# Altium PCB MB1166.PcbDoc (part 4 of 39) (continued)
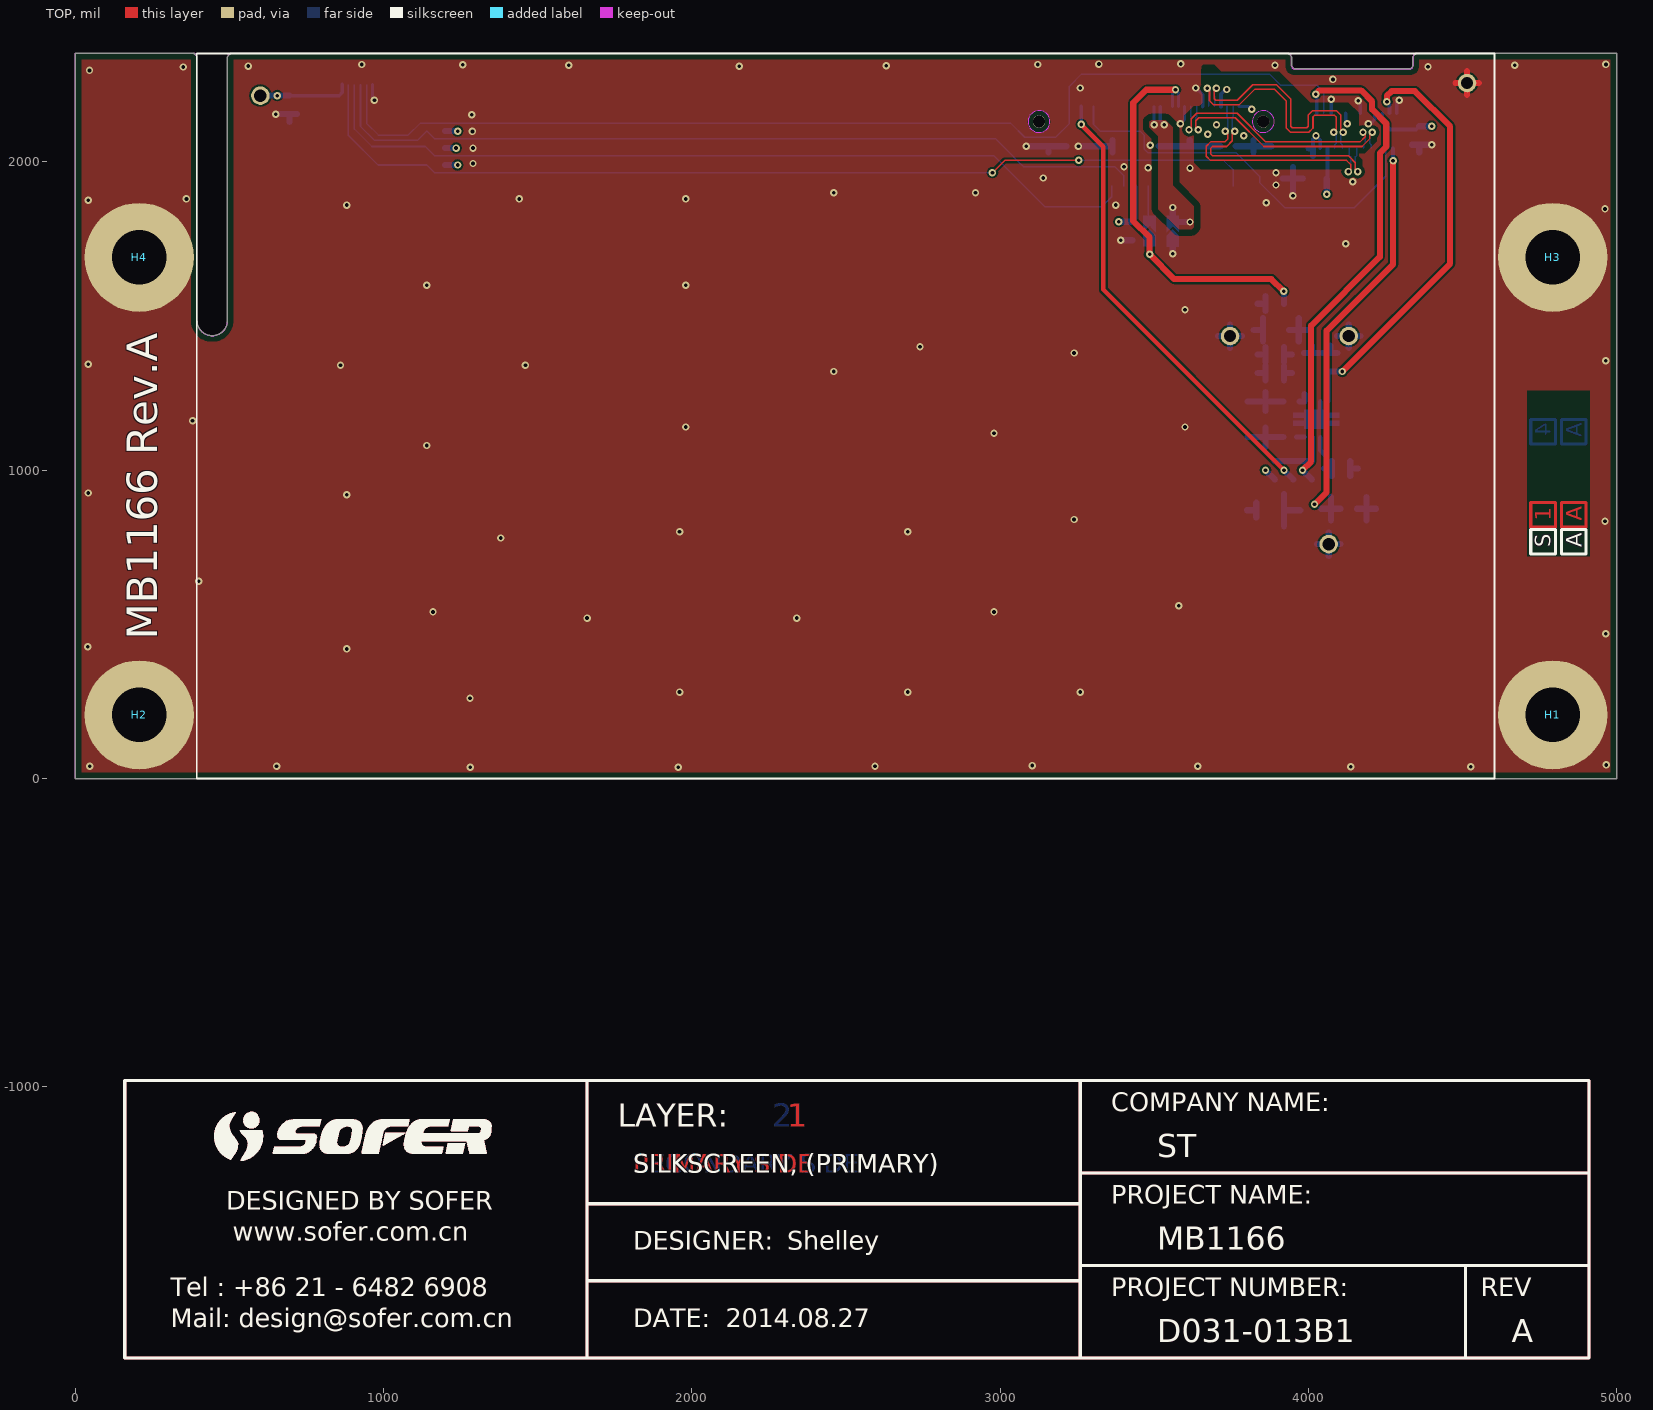
[diagram p0: TOP view]
## Nets (pads, with @x,y where several pads share a name; then routed paths per layer and width w, separated by ;. In a path a pad name is that pad's centre, name@x,y a point inside that pad or via, vN(x,y) a via of type N, cw(c..) or ccw(c..) an arc to the next point about the centre after c; other vN are vias at no path point) (continued)
; 858.18,-1139.44 858.24,-1139.35 ; 858.25,-1194.88 858.34,-1194.9 ; 858.25,-1194.88 858.34,-1194.9 ; 858.24,-1139.35 858.29,-1139.27 ; 858.24,-1139.35 858.29,-1139.27 ; 858.29,-1139.27 858.59,-1138.87 ; 858.29,-1139.27 858.59,-1138.87 ; 858.34,-1194.9 858.64,-1194.96 ; 858.34,-1194.9 858.64,-1194.96 ; 858.59,-1138.87 858.66,-1138.79 ; 858.59,-1138.87 858.66,-1138.79 ; 858.64,-1194.96 858.74,-1194.99 ; 858.64,-1194.96 858.74,-1194.99 ; 858.66,-1138.79 858.72,-1138.72 ; 858.66,-1138.79 858.72,-1138.72 ; 858.72,-1138.72 858.78,-1138.64 ; 858.72,-1138.72 858.78,-1138.64 ; 858.74,-1194.99 858.83,-1195.01 ; 858.74,-1194.99 858.83,-1195.01 ; 858.78,-1138.64 858.85,-1138.57 ; 858.78,-1138.64 858.85,-1138.57 ; 858.83,-1195.01 859.13,-1195.07 ; 858.83,-1195.01 859.13,-1195.07 ; 858.85,-1138.57 858.91,-1138.49 ; 858.85,-1138.57 858.91,-1138.49 ; 858.91,-1138.49 858.98,-1138.42 ; 858.91,-1138.49 858.98,-1138.42 ; 858.98,-1138.42 859.05,-1138.34 ; 858.98,-1138.42 859.05,-1138.34 ; 859.05,-1138.34 859.12,-1138.27 ; 859.05,-1138.34 859.12,-1138.27 ; 859.12,-1138.27 859.18,-1138.2 ; 859.12,-1138.27 859.18,-1138.2 ; 859.13,-1195.07 859.22,-1195.09 ; 859.13,-1195.07 859.22,-1195.09 ; 859.22,-1195.09 859.62,-1195.17 ; 859.22,-1195.09 859.62,-1195.17 ; 859.18,-1138.2 859.25,-1138.12 ; 859.18,-1138.2 859.25,-1138.12 ; 859.25,-1138.12 859.46,-1137.91 ; 859.25,-1138.12 859.46,-1137.91 ; 859.46,-1137.91 859.53,-1137.83 ; 859.46,-1137.91 859.53,-1137.83 ; 859.53,-1137.83 859.81,-1137.55 ; 859.53,-1137.83 859.81,-1137.55 ; 859.62,-1195.17 859.71,-1195.19 ; 859.62,-1195.17 859.71,-1195.19 ; 859.71,-1195.19 860.01,-1195.25 ; 859.71,-1195.19 860.01,-1195.25 ; 859.81,-1137.55 859.88,-1137.47 ; 859.81,-1137.55 859.88,-1137.47 ; 859.88,-1137.47 860.09,-1137.26 ; 859.88,-1137.47 860.09,-1137.26 ; 860.01,-1195.25 860.1,-1195.28 ; 860.01,-1195.25 860.1,-1195.28 ; 860.1,-1195.28 860.5,-1195.36 ; 860.1,-1195.28 860.5,-1195.36 ; 860.09,-1137.26 860.15,-1137.19 ; 860.09,-1137.26 860.15,-1137.19 ; 860.15,-1137.19 860.22,-1137.11 ; 860.15,-1137.19 860.22,-1137.11 ; 860.22,-1137.11 860.29,-1137.04 ; 860.22,-1137.11 860.29,-1137.04 ; 860.29,-1137.04 860.36,-1136.96 ; 860.29,-1137.04 860.36,-1136.96 ; 860.36,-1136.96 860.42,-1136.89 ; 860.36,-1136.96 860.42,-1136.89 ; 860.42,-1136.89 860.49,-1136.81 ; 860.42,-1136.89 860.49,-1136.81 ; 860.5,-1195.36 860.59,-1195.38 ; 860.5,-1195.36 860.59,-1195.38 ; 860.49,-1136.81 860.55,-1136.74 ; 860.49,-1136.81 860.55,-1136.74 ; 860.55,-1136.74 860.62,-1136.66 ; 860.55,-1136.74 860.62,-1136.66 ; 860.59,-1195.38 860.99,-1195.46 ; 860.59,-1195.38 860.99,-1195.46 ; 860.62,-1136.66 860.68,-1136.59 ; 860.62,-1136.66 860.68,-1136.59 ; 860.68,-1136.59 860.75,-1136.51 ; 860.68,-1136.59 860.75,-1136.51 ; 860.75,-1136.51 860.81,-1136.43 ; 860.75,-1136.51 860.81,-1136.43 ; 860.81,-1136.43 860.88,-1136.36 ; 860.81,-1136.43 860.88,-1136.36 ; 860.88,-1136.36 861,-1136.2 ; 860.88,-1136.36 861,-1136.2 ; 860.99,-1195.46 861.08,-1195.48 ; 860.99,-1195.46 861.08,-1195.48 ; 861,-1136.2 861.07,-1136.12 ; 861,-1136.2 861.07,-1136.12 ; 861.07,-1136.12 861.13,-1136.05 ; 861.07,-1136.12 861.13,-1136.05 ; 861.08,-1195.48 861.48,-1195.56 ; 861.08,-1195.48 861.48,-1195.56 ; 861.13,-1136.05 861.19,-1135.97 ; 861.13,-1136.05 861.19,-1135.97 ; 861.19,-1135.97 861.26,-1135.89 ; 861.19,-1135.97 861.26,-1135.89 ; 861.26,-1135.89 861.32,-1135.81 ; 861.26,-1135.89 861.32,-1135.81 ; 861.32,-1135.81 861.38,-1135.74 ; 861.32,-1135.81 861.38,-1135.74 ; 861.38,-1135.74 861.45,-1135.66 ; 861.38,-1135.74 861.45,-1135.66 ; 861.45,-1135.66 861.51,-1135.58 ; 861.45,-1135.66 861.51,-1135.58 ; 861.48,-1195.56 861.57,-1195.58 ; 861.48,-1195.56 861.57,-1195.58 ; 861.51,-1135.58 861.58,-1135.51 ; 861.51,-1135.58 861.58,-1135.51 ; 861.57,-1195.58 861.77,-1195.62 ; 861.57,-1195.58 861.77,-1195.62 ; 861.58,-1135.51 861.64,-1135.43 ; 861.58,-1135.51 861.64,-1135.43 ; 861.64,-1135.43 861.71,-1135.36 ; 861.64,-1135.43 861.71,-1135.36 ; 861.71,-1135.36 861.78,-1135.28 ; 861.71,-1135.36 861.78,-1135.28 ; 861.77,-1195.62 861.87,-1195.65 ; 861.77,-1195.62 861.87,-1195.65 ; 861.78,-1135.28 861.84,-1135.21 ; 861.78,-1135.28 861.84,-1135.21 ; 861.87,-1195.65 861.96,-1195.67 ; 861.87,-1195.65 861.96,-1195.67 ; 861.84,-1135.21 861.91,-1135.14 ; 861.84,-1135.21 861.91,-1135.14 ; 861.91,-1135.14 861.98,-1135.06 ; 861.91,-1135.14 861.98,-1135.06 ; 861.96,-1195.67 862.36,-1195.75 ; 861.96,-1195.67 862.36,-1195.75 ; 861.98,-1135.06 862.4,-1134.64 ; 861.98,-1135.06 862.4,-1134.64 ; 862.36,-1195.75 862.45,-1195.77 ; 862.36,-1195.75 862.45,-1195.77 ; 862.4,-1134.64 862.48,-1134.57 ; 862.4,-1134.64 862.48,-1134.57 ; 862.45,-1195.77 862.75,-1195.83 ; 862.45,-1195.77 862.75,-1195.83 ; 862.48,-1134.57 862.62,-1134.43 ; 862.48,-1134.57 862.62,-1134.43 ; 862.62,-1134.43 862.7,-1134.37 ; 862.62,-1134.43 862.7,-1134.37 ; 862.7,-1134.37 862.77,-1134.3 ; 862.7,-1134.37 862.77,-1134.3 ; 862.75,-1195.83 862.84,-1195.85 ; 862.75,-1195.83 862.84,-1195.85 ; 862.77,-1134.3 862.85,-1134.23 ; 862.77,-1134.3 862.85,-1134.23 ; 862.84,-1195.85 863.04,-1195.89 ; 862.84,-1195.85 863.04,-1195.89 ; 862.85,-1134.23 862.92,-1134.17 ; 862.85,-1134.23 862.92,-1134.17 ; 862.92,-1134.17 863,-1134.1 ; 862.92,-1134.17 890.35,-1106.74 862.92,-1134.17 ; 862.92,-1134.17 863,-1134.1 ; 863,-1134.1 863.07,-1134.04 ; 863,-1134.1 863.07,-1134.04 ; 863.04,-1195.89 863.14,-1195.92 ; 863.04,-1195.89 863.14,-1195.92 ; 863.07,-1134.04 863.15,-1133.97 ; 863.07,-1134.04 863.15,-1133.97 ; 863.14,-1195.92 863.24,-1195.93 ; 863.14,-1195.92 863.24,-1195.93 ; 863.15,-1133.97 863.31,-1133.85 ; 863.15,-1133.97 863.31,-1133.85 ; 863.24,-1195.93 863.33,-1195.95 ; 863.24,-1195.93 863.33,-1195.95 ; 863.31,-1133.85 863.38,-1133.78 ; 863.31,-1133.85 863.38,-1133.78 ; 863.33,-1195.95 863.73,-1196.03 ; 863.33,-1195.95 863.73,-1196.03 ; 863.38,-1133.78 863.78,-1133.48 ; 863.38,-1133.78 863.78,-1133.48 ; 863.73,-1196.03 863.83,-1196.04 ; 863.73,-1196.03 863.83,-1196.04 ; 863.78,-1133.48 863.86,-1133.41 ; 863.78,-1133.48 863.86,-1133.41 ; 863.83,-1196.04 863.93,-1196.06 ; 863.83,-1196.04 863.93,-1196.06 ; 863.86,-1133.41 864.1,-1133.23 ; 863.86,-1133.41 864.1,-1133.23 ; 863.93,-1196.06 864.02,-1196.07 ; 863.93,-1196.06 864.02,-1196.07 ; 864.02,-1196.07 864.12,-1196.08 ; 864.02,-1196.07 864.12,-1196.08 ; 864.12,-1196.08 864.22,-1196.1 ; 864.12,-1196.08 864.22,-1196.1 ; 864.1,-1133.23 864.18,-1133.18 ; 864.1,-1133.23 864.18,-1133.18 ; 864.22,-1196.1 864.52,-1196.13 ; 864.22,-1196.1 864.52,-1196.13 ; 864.18,-1133.18 864.66,-1132.82 ; 864.18,-1133.18 864.66,-1132.82 ; 864.52,-1196.13 864.62,-1196.13 ; 864.52,-1196.13 864.62,-1196.13 ; 864.62,-1196.13 864.72,-1196.14 ; 864.62,-1196.13 864.72,-1196.14 ; 864.66,-1132.82 864.74,-1132.77 ; 864.66,-1132.82 864.74,-1132.77 ; 864.72,-1196.14 864.82,-1196.14 ; 864.72,-1196.14 864.82,-1196.14 ; 864.74,-1132.77 864.83,-1132.71 ; 864.74,-1132.77 864.83,-1132.71 ; 864.82,-1196.14 864.92,-1196.15 ; 864.82,-1196.14 864.92,-1196.15 ; 864.83,-1132.71 864.91,-1132.65 ; 864.83,-1132.71 864.91,-1132.65 ; 864.92,-1196.15 865.12,-1196.15 ; 864.92,-1196.15 865.12,-1196.15 ; 864.91,-1132.65 864.99,-1132.6 ; 864.91,-1132.65 864.99,-1132.6 ; 864.99,-1132.6 865.07,-1132.54 ; 864.99,-1132.6 865.07,-1132.54 ; 865.07,-1132.54 865.16,-1132.48 ; 865.07,-1132.54 865.16,-1132.48 ; 865.12,-1196.15 865.22,-1196.16 ; 865.12,-1196.15 865.22,-1196.16 ; 865.16,-1132.48 865.24,-1132.43 ; 865.16,-1132.48 865.24,-1132.43 ; 865.22,-1196.16 865.52,-1196.16 ; 865.22,-1196.16 865.52,-1196.16 ; 865.24,-1132.43 865.4,-1132.31 ; 865.24,-1132.43 865.4,-1132.31 ; 865.4,-1132.31 865.49,-1132.26 ; 865.4,-1132.31 865.49,-1132.26 ; 865.52,-1196.16 865.62,-1196.15 ; 865.52,-1196.16 865.62,-1196.15 ; 865.49,-1132.26 865.57,-1132.2 ; 865.49,-1132.26 865.57,-1132.2 ; 865.57,-1132.2 865.66,-1132.15 ; 865.57,-1132.2 865.66,-1132.15 ; 865.62,-1196.15 865.82,-1196.15 ; 865.62,-1196.15 865.82,-1196.15 ; 865.66,-1132.15 865.74,-1132.09 ; 865.66,-1132.15 865.74,-1132.09 ; 865.74,-1132.09 865.82,-1132.04 ; 865.74,-1132.09 865.82,-1132.04 ; 865.82,-1196.15 865.92,-1196.14 ; 865.82,-1196.15 865.92,-1196.14 ; 865.82,-1132.04 865.91,-1131.99 ; 865.82,-1132.04 865.91,-1131.99 ; 865.92,-1196.14 866.02,-1196.14 ; 865.92,-1196.14 866.02,-1196.14 ; 865.91,-1131.99 865.99,-1131.93 ; 865.91,-1131.99 865.99,-1131.93 ; 866.02,-1196.14 866.12,-1196.13 ; 866.02,-1196.14 866.12,-1196.13 ; 865.99,-1131.93 866.08,-1131.88 ; 865.99,-1131.93 866.08,-1131.88 ; 866.12,-1196.13 866.22,-1196.13 ; 866.12,-1196.13 866.22,-1196.13 ; 866.08,-1131.88 866.16,-1131.83 ; 866.08,-1131.88 866.16,-1131.83 ; 866.16,-1131.83 866.25,-1131.77 ; 866.16,-1131.83 866.25,-1131.77 ; 866.22,-1196.13 866.32,-1196.12 ; 866.22,-1196.13 866.32,-1196.12 ; 866.25,-1131.77 866.33,-1131.72 ; 866.25,-1131.77 866.33,-1131.72 ; 866.32,-1196.12 866.42,-1196.12 ; 866.32,-1196.12 866.42,-1196.12 ; 866.33,-1131.72 866.42,-1131.67 ; 866.33,-1131.72 866.42,-1131.67 ; 866.42,-1196.12 866.82,-1196.08 ; 866.42,-1196.12 866.82,-1196.08 ; 866.42,-1131.67 866.5,-1131.61 ; 866.42,-1131.67 866.5,-1131.61 ; 866.5,-1131.61 866.59,-1131.56 ; 866.5,-1131.61 866.59,-1131.56 ; 866.59,-1131.56 866.67,-1131.51 ; 866.59,-1131.56 866.67,-1131.51 ; 866.67,-1131.51 866.76,-1131.46 ; 866.67,-1131.51 866.76,-1131.46 ; 866.76,-1131.46 866.84,-1131.41 ; 866.76,-1131.46 866.84,-1131.41 ; 866.82,-1196.08 866.92,-1196.08 ; 866.82,-1196.08 866.92,-1196.08 ; 866.84,-1131.41 867.02,-1131.31 ; 866.84,-1131.41 867.02,-1131.31 ; 866.92,-1196.08 867.42,-1196.03 ; 866.92,-1196.08 867.42,-1196.03 ; 867.02,-1131.31 867.1,-1131.26 ; 867.02,-1131.31 867.1,-1131.26 ; 867.1,-1131.26 867.19,-1131.21 ; 867.1,-1131.26 867.19,-1131.21 ; 867.19,-1131.21 867.27,-1131.16 ; 867.19,-1131.21 867.27,-1131.16 ; 867.27,-1131.16 867.54,-1131.01 ; 867.27,-1131.16 867.54,-1131.01 ; 867.42,-1196.03 867.51,-1196.02 ; 867.42,-1196.03 867.51,-1196.02 ; 867.51,-1196.02 867.61,-1196.01 ; 867.51,-1196.02 867.61,-1196.01 ; 867.54,-1131.01 867.62,-1130.96 ; 867.54,-1131.01 867.62,-1130.96 ; 867.61,-1196.01 867.71,-1195.99 ; 867.61,-1196.01 867.71,-1195.99 ; 867.62,-1130.96 867.71,-1130.91 ; 867.62,-1130.96 867.71,-1130.91 ; 867.71,-1195.99 868.21,-1195.94 ; 867.71,-1195.99 868.21,-1195.94 ; 867.71,-1130.91 867.8,-1130.87 ; 867.71,-1130.91 867.8,-1130.87 ; 867.8,-1130.87 867.98,-1130.77 ; 867.8,-1130.87 867.98,-1130.77 ; 867.98,-1130.77 868.07,-1130.73 ; 867.98,-1130.77 868.07,-1130.73 ; 868.07,-1130.73 868.16,-1130.68 ; 868.07,-1130.73 868.16,-1130.68 ; 868.16,-1130.68 868.25,-1130.64 ; 868.16,-1130.68 868.25,-1130.64 ; 868.21,-1195.94 868.31,-1195.92 ; 868.21,-1195.94 868.31,-1195.92 ; 868.25,-1130.64 868.34,-1130.59 ; 868.25,-1130.64 868.34,-1130.59 ; 868.31,-1195.92 868.61,-1195.89 ; 868.31,-1195.92 868.61,-1195.89 ; 868.34,-1130.59 868.7,-1130.43 ; 868.34,-1130.59 868.7,-1130.43 ; 868.61,-1195.89 868.71,-1195.87 ; 868.61,-1195.89 868.71,-1195.87 ; 868.71,-1195.87 868.81,-1195.86 ; 868.71,-1195.87 868.81,-1195.86 ; 868.7,-1130.43 868.79,-1130.38 ; 868.7,-1130.43 868.79,-1130.38 ; 868.81,-1195.86 868.9,-1195.85 ; 868.81,-1195.86 868.9,-1195.85 ; 868.79,-1130.38 868.88,-1130.34 ; 868.79,-1130.38 868.88,-1130.34 ; 868.9,-1195.85 869,-1195.83 ; 868.9,-1195.85 869,-1195.83 ; 868.88,-1130.34 868.97,-1130.31 ; 868.88,-1130.34 868.97,-1130.31 ; 868.97,-1130.31 869.06,-1130.27 ; 868.97,-1130.31 869.06,-1130.27 ; 869,-1195.83 869.2,-1195.81 ; 869,-1195.83 869.2,-1195.81 ; 869.06,-1130.27 869.16,-1130.23 ; 869.07,-1130.26 892.6,-1106.74 869.07,-1130.26 ; 869.06,-1130.27 869.16,-1130.23 ; 869.16,-1130.23 869.25,-1130.19 ; 869.16,-1130.23 869.25,-1130.19 ; 869.2,-1195.81 869.3,-1195.79 ; 869.2,-1195.81 869.3,-1195.79 ; 869.25,-1130.19 869.34,-1130.16 ; 869.25,-1130.19 869.34,-1130.16 ; 869.3,-1195.79 869.4,-1195.78 ; 869.3,-1195.79 869.4,-1195.78 ; 869.34,-1130.16 869.44,-1130.12 ; 869.34,-1130.16 869.44,-1130.12 ; 869.4,-1195.78 869.5,-1195.76 ; 869.4,-1195.78 869.5,-1195.76 ; 869.44,-1130.12 869.53,-1130.09 ; 869.44,-1130.12 869.53,-1130.09 ; 869.5,-1195.76 869.7,-1195.74 ; 869.5,-1195.76 869.7,-1195.74 ; 869.53,-1130.09 869.63,-1130.05 ; 869.53,-1130.09 869.63,-1130.05 ; 869.63,-1130.05 869.81,-1129.99 ; 869.63,-1130.05 869.81,-1129.99 ; 869.7,-1195.74 869.8,-1195.72 ; 869.7,-1195.74 869.8,-1195.72 ; 869.8,-1195.72 869.9,-1195.71 ; 869.8,-1195.72 869.9,-1195.71 ; 869.81,-1129.99 869.91,-1129.95 ; 869.81,-1129.99 869.91,-1129.95 ; 869.9,-1195.71 869.99,-1195.7 ; 869.9,-1195.71 869.99,-1195.7 ; 869.91,-1129.95 870,-1129.92 ; 869.91,-1129.95 870,-1129.92 ; 869.99,-1195.7 870.09,-1195.68 ; 869.99,-1195.7 870.09,-1195.68 ; 870,-1129.92 870.1,-1129.89 ; 870,-1129.92 870.1,-1129.89 ; 870.09,-1195.68 870.19,-1195.67 ; 870.09,-1195.68 870.19,-1195.67 ; 870.1,-1129.89 870.19,-1129.86 ; 870.1,-1129.89 870.19,-1129.86 ; 870.19,-1195.67 870.29,-1195.65 ; 870.19,-1195.67 870.29,-1195.65 ; 870.19,-1129.86 870.29,-1129.83 ; 870.19,-1129.86 870.29,-1129.83 ; 870.29,-1195.65 870.39,-1195.64 ; 870.29,-1195.65 870.39,-1195.64 ; 870.29,-1129.83 870.38,-1129.8 ; 870.29,-1129.83 870.38,-1129.8 ; 870.39,-1195.64 870.49,-1195.62 ; 870.39,-1195.64 870.49,-1195.62 ; 870.38,-1129.8 870.58,-1129.74 ; 870.38,-1129.8 870.58,-1129.74 ; 870.49,-1195.62 870.69,-1195.6 ; 870.49,-1195.62 870.69,-1195.6 ; 870.58,-1129.74 870.67,-1129.71 ; 870.58,-1129.74 870.67,-1129.71 ; 870.67,-1129.71 870.77,-1129.68 ; 870.67,-1129.71 870.77,-1129.68 ; 870.69,-1195.6 870.79,-1195.58 ; 870.69,-1195.6 870.79,-1195.58 ; 870.77,-1129.68 870.86,-1129.65 ; 870.77,-1129.68 870.86,-1129.65 ; 870.79,-1195.58 870.88,-1195.57 ; 870.79,-1195.58 870.88,-1195.57 ; 870.86,-1129.65 870.96,-1129.62 ; 870.86,-1129.65 870.96,-1129.62 ; 870.88,-1195.57 870.98,-1195.55 ; 870.88,-1195.57 870.98,-1195.55 ; 870.96,-1129.62 871.05,-1129.6 ; 870.96,-1129.62 871.05,-1129.6 ; 870.98,-1195.55 871.08,-1195.54 ; 870.98,-1195.55 871.08,-1195.54 ; 871.05,-1129.6 871.25,-1129.54 ; 871.05,-1129.6 871.25,-1129.54 ; 871.08,-1195.54 871.18,-1195.52 ; 871.08,-1195.54 871.18,-1195.52 ; 871.18,-1195.52 871.28,-1195.51 ; 871.18,-1195.52 871.28,-1195.51 ; 871.25,-1129.54 871.34,-1129.51 ; 871.25,-1129.54 871.34,-1129.51 ; 871.28,-1195.51 871.38,-1195.49 ; 871.28,-1195.51 871.38,-1195.49 ; 871.34,-1129.51 871.44,-1129.48 ; 871.34,-1129.51 871.44,-1129.48 ; 871.38,-1195.49 871.48,-1195.48 ; 871.38,-1195.49 871.48,-1195.48 ; 871.44,-1129.48 871.53,-1129.45 ; 871.44,-1129.48 871.53,-1129.45 ; 871.48,-1195.48 871.68,-1195.44 ; 871.48,-1195.48 871.68,-1195.44 ; 871.53,-1129.45 871.63,-1129.42 ; 871.53,-1129.45 871.63,-1129.42 ; 871.63,-1129.42 871.72,-1129.39 ; 871.63,-1129.42 871.72,-1129.39 ; 871.68,-1195.44 871.77,-1195.43 ; 871.68,-1195.44 871.77,-1195.43 ; 871.72,-1129.39 871.82,-1129.36 ; 871.72,-1129.39 871.82,-1129.36 ; 871.77,-1195.43 871.87,-1195.41 ; 871.77,-1195.43 871.87,-1195.41 ; 871.82,-1129.36 871.91,-1129.33 ; 871.82,-1129.36 871.91,-1129.33 ; 871.87,-1195.41 871.97,-1195.4 ; 871.87,-1195.41 871.97,-1195.4 ; 871.91,-1129.33 872.11,-1129.27 ; 871.91,-1129.33 872.11,-1129.27 ; 871.97,-1195.4 872.17,-1195.36 ; 871.97,-1195.4 872.17,-1195.36 ; 872.11,-1129.27 872.2,-1129.24 ; 872.11,-1129.27 872.2,-1129.24 ; 872.17,-1195.36 872.27,-1195.35 ; 872.17,-1195.36 872.27,-1195.35 ; 872.2,-1129.24 872.3,-1129.21 ; 872.2,-1129.24 872.3,-1129.21 ; 872.27,-1195.35 872.37,-1195.33 ; 872.27,-1195.35 872.37,-1195.33 ; 872.3,-1129.21 872.39,-1129.18 ; 872.3,-1129.21 872.39,-1129.18 ; 872.37,-1195.33 872.46,-1195.31 ; 872.37,-1195.33 872.46,-1195.31 ; 872.39,-1129.18 872.49,-1129.15 ; 872.4,-1129.18 894.84,-1106.74 872.4,-1129.18 ; 872.39,-1129.18 872.49,-1129.15 ; 872.46,-1195.31 872.56,-1195.3 ; 872.46,-1195.31 872.56,-1195.3 ; 872.49,-1129.15 872.58,-1129.12 ; 872.49,-1129.15 872.58,-1129.12 ; 872.56,-1195.3 872.76,-1195.26 ; 872.56,-1195.3 872.76,-1195.26 ; 872.58,-1129.12 872.68,-1129.09 ; 872.58,-1129.12 872.68,-1129.09 ; 872.68,-1129.09 872.77,-1129.06 ; 872.68,-1129.09 872.77,-1129.06 ; 872.76,-1195.26 872.86,-1195.25 ; 872.76,-1195.26 872.86,-1195.25 ; 872.77,-1129.06 872.87,-1129.03 ; 872.77,-1129.06 872.87,-1129.03 ; 872.86,-1195.25 873.06,-1195.21 ; 872.86,-1195.25 873.06,-1195.21 ; 872.87,-1129.03 872.96,-1129 ; 872.87,-1129.03 872.96,-1129 ; 872.96,-1129 873.06,-1128.97 ; 872.96,-1129 873.06,-1128.97 ; 873.06,-1195.21 873.15,-1195.19 ; 873.06,-1195.21 873.15,-1195.19 ; 873.06,-1128.97 873.15,-1128.94 ; 873.06,-1128.97 873.15,-1128.94 ; 873.15,-1195.19 873.35,-1195.15 ; 873.15,-1195.19 873.35,-1195.15 ; 873.15,-1128.94 873.25,-1128.91 ; 873.15,-1128.94 873.25,-1128.91 ; 873.25,-1128.91 873.34,-1128.88 ; 873.25,-1128.91 873.34,-1128.88 ; 873.35,-1195.15 873.45,-1195.14 ; 873.35,-1195.15 873.45,-1195.14 ; 873.34,-1128.88 873.54,-1128.82 ; 873.34,-1128.88 873.54,-1128.82 ; 873.45,-1195.14 873.55,-1195.12 ; 873.45,-1195.14 873.55,-1195.12 ; 873.55,-1195.12 873.64,-1195.1 ; 873.55,-1195.12 873.64,-1195.1 ; 873.54,-1128.82 873.63,-1128.79 ; 873.54,-1128.82 873.63,-1128.79 ; 873.64,-1195.1 874.04,-1195.02 ; 873.64,-1195.1 874.04,-1195.02 ; 873.63,-1128.79 873.73,-1128.76 ; 873.63,-1128.79 873.73,-1128.76 ; 873.73,-1128.76 873.82,-1128.73 ; 873.73,-1128.76 873.82,-1128.73 ; 873.82,-1128.73 873.92,-1128.7 ; 873.82,-1128.73 873.92,-1128.7 ; 873.92,-1128.7 874.01,-1128.67 ; 873.92,-1128.7 874.01,-1128.67 ; 874.01,-1128.67 874.11,-1128.64 ; 874.01,-1128.67 874.11,-1128.64 ; 874.04,-1195.02 874.13,-1195 ; 874.04,-1195.02 874.13,-1195 ; 874.11,-1128.64 874.2,-1128.61 ; 874.11,-1128.64 874.2,-1128.61 ; 874.13,-1195 874.23,-1194.98 ; 874.13,-1195 874.23,-1194.98 ; 874.2,-1128.61 874.3,-1128.58 ; 874.2,-1128.61 874.3,-1128.58 ; 874.23,-1194.98 874.33,-1194.95 ; 874.23,-1194.98 874.33,-1194.95 ; 874.3,-1128.58 874.4,-1128.56 ; 874.3,-1128.58 874.4,-1128.56 ; 874.33,-1194.95 874.53,-1194.91 ; 874.33,-1194.95 874.53,-1194.91 ; 874.4,-1128.56 874.49,-1128.53 ; 874.4,-1128.56 874.49,-1128.53 ; 874.49,-1128.53 874.59,-1128.5 ; 874.49,-1128.53 874.59,-1128.5 ; 874.53,-1194.91 874.62,-1194.89 ; 874.53,-1194.91 874.62,-1194.89 ; 874.62,-1194.89 874.72,-1194.86 ; 874.62,-1194.89 874.72,-1194.86 ; 874.59,-1128.5 874.68,-1128.47 ; 874.59,-1128.5 874.68,-1128.47 ; 874.72,-1194.86 874.82,-1194.84 ; 874.72,-1194.86 874.82,-1194.84 ; 874.68,-1128.47 874.78,-1128.45 ; 874.68,-1128.47 874.78,-1128.45 ; 874.82,-1194.84 874.91,-1194.82 ; 874.82,-1194.84 874.91,-1194.82 ; 874.78,-1128.45 874.88,-1128.42 ; 874.78,-1128.45 874.88,-1128.42 ; 874.91,-1194.82 875.01,-1194.79 ; 874.91,-1194.82 875.01,-1194.79 ; 874.88,-1128.42 874.97,-1128.39 ; 874.88,-1128.42 874.97,-1128.39 ; 874.97,-1128.39 875.07,-1128.37 ; 874.97,-1128.39 875.07,-1128.37 ; 875.01,-1194.79 875.11,-1194.77 ; 875.01,-1194.79 875.11,-1194.77 ; 875.07,-1128.37 875.17,-1128.34 ; 875.07,-1128.37 875.17,-1128.34 ; 875.11,-1194.77 875.2,-1194.74 ; 875.11,-1194.77 875.2,-1194.74 ; 875.17,-1128.34 875.26,-1128.32 ; 875.17,-1128.34 875.26,-1128.32 ; 875.2,-1194.74 875.3,-1194.71 ; 875.2,-1194.74 875.3,-1194.71 ; 875.26,-1128.32 875.36,-1128.29 ; 875.26,-1128.32 875.36,-1128.29 ; 875.3,-1194.71 875.4,-1194.69 ; 875.3,-1194.71 875.4,-1194.69 ; 875.36,-1128.29 875.46,-1128.27 ; 875.36,-1128.29 875.46,-1128.27 ; 875.4,-1194.69 875.49,-1194.66 ; 875.4,-1194.69 875.49,-1194.66 ; 875.46,-1128.27 875.55,-1128.24 ; 875.46,-1128.27 875.55,-1128.24 ; 875.49,-1194.66 875.69,-1194.6 ; 875.49,-1194.66 875.69,-1194.6 ; 875.55,-1128.24 875.75,-1128.2 ; 875.55,-1128.24 875.75,-1128.2 ; 875.69,-1194.6 875.78,-1194.58 ; 875.69,-1194.6 875.78,-1194.58 ; 875.75,-1128.2 875.85,-1128.17 ; 875.75,-1128.2 875.85,-1128.17 ; 875.78,-1194.58 875.88,-1194.55 ; 875.78,-1194.58 875.88,-1194.55 ; 875.85,-1128.17 875.94,-1128.15 ; 875.85,-1128.17 875.94,-1128.15 ; 875.88,-1194.55 875.97,-1194.52 ; 875.88,-1194.55 875.97,-1194.52 ; 875.97,-1194.52 876.07,-1194.49 ; 875.97,-1194.52 876.07,-1194.49 ; 875.94,-1128.15 876.24,-1128.09 ; 875.94,-1128.15 876.24,-1128.09 ; 876.07,-1194.49 876.16,-1194.45 ; 876.07,-1194.49 876.16,-1194.45 ; 876.16,-1194.45 876.26,-1194.42 ; 876.16,-1194.45 876.26,-1194.42 ; 876.26,-1194.42 876.35,-1194.39 ; 876.26,-1194.42 876.35,-1194.39 ; 876.24,-1128.09 876.33,-1128.07 ; 876.24,-1128.09 876.33,-1128.07 ; 876.35,-1194.39 876.45,-1194.36 ; 876.35,-1194.39 876.45,-1194.36 ; 876.33,-1128.07 876.83,-1127.97 ; 876.33,-1128.07 876.83,-1127.97 ; 876.45,-1194.36 876.54,-1194.33 ; 876.45,-1194.36 876.54,-1194.33 ; 876.54,-1194.33 876.64,-1194.29 ; 876.54,-1194.33 876.64,-1194.29 ; 876.64,-1194.29 876.73,-1194.26 ; 876.64,-1194.29 876.73,-1194.26 ; 876.73,-1194.26 876.82,-1194.22 ; 876.73,-1194.26 876.82,-1194.22 ; 876.82,-1194.22 876.92,-1194.19 ; 876.82,-1194.22 876.92,-1194.19 ; 876.83,-1127.97 876.92,-1127.96 ; 876.83,-1127.97 876.92,-1127.96 ; 876.92,-1194.19 877.01,-1194.16 ; 876.92,-1194.19 877.01,-1194.16 ; 876.92,-1127.96 877.12,-1127.92 ; 876.92,-1127.96 877.12,-1127.92 ; 877.01,-1194.16 877.1,-1194.12 ; 877.01,-1194.16 877.1,-1194.12 ; 877.1,-1194.12 877.2,-1194.08 ; 877.1,-1194.12 877.2,-1194.08 ; 877.12,-1127.92 877.22,-1127.91 ; 877.12,-1127.92 877.22,-1127.91 ; 877.2,-1194.08 877.29,-1194.05 ; 877.2,-1194.08 877.29,-1194.05 ; 877.22,-1127.91 877.32,-1127.89 ; 877.22,-1127.91 877.32,-1127.89 ; 877.29,-1194.05 877.38,-1194.01 ; 877.29,-1194.05 877.38,-1194.01 ; 877.32,-1127.89 877.42,-1127.88 ; 877.32,-1127.89 877.42,-1127.88 ; 877.38,-1194.01 877.48,-1193.98 ; 877.38,-1194.01 877.48,-1193.98 ; 877.42,-1127.88 877.52,-1127.86 ; 877.42,-1127.88 877.52,-1127.86 ; 877.48,-1193.98 877.66,-1193.9 ; 877.48,-1193.98 877.66,-1193.9 ; 877.52,-1127.86 877.62,-1127.85 ; 877.52,-1127.86 877.62,-1127.85 ; 877.62,-1127.85 877.71,-1127.83 ; 877.62,-1127.85 877.71,-1127.83 ; 877.66,-1193.9 877.76,-1193.86 ; 877.66,-1193.9 877.76,-1193.86 ; 877.71,-1127.83 877.91,-1127.81 ; 877.71,-1127.83 877.91,-1127.81 ; 877.76,-1193.86 877.85,-1193.83 ; 877.76,-1193.86 877.85,-1193.83 ; 877.85,-1193.83 878.03,-1193.75 ; 877.85,-1193.83 878.03,-1193.75 ; 877.91,-1127.81 878.01,-1127.79 ; 877.91,-1127.81 878.01,-1127.79 ; 878.01,-1127.79 878.81,-1127.71 ; 878.01,-1127.79 878.81,-1127.71 ; 878.03,-1193.75 878.13,-1193.71 ; 878.03,-1193.75 878.13,-1193.71 ; 878.13,-1193.71 878.22,-1193.67 ; 878.13,-1193.71 878.22,-1193.67 ; 878.22,-1193.67 878.31,-1193.64 ; 878.22,-1193.67 878.31,-1193.64 ; 878.31,-1193.64 878.4,-1193.6 ; 878.31,-1193.64 878.4,-1193.6 ; 878.4,-1193.6 878.5,-1193.56 ; 878.4,-1193.6 878.5,-1193.56 ; 878.5,-1193.56 878.86,-1193.4 ; 878.5,-1193.56 878.86,-1193.4 ; 878.81,-1127.71 878.91,-1127.71 ; 878.81,-1127.71 878.91,-1127.71 ; 878.86,-1193.4 878.96,-1193.37 ; 878.86,-1193.4 878.96,-1193.37 ; 878.91,-1127.71 879.21,-1127.68 ; 878.91,-1127.71 879.21,-1127.68 ; 878.96,-1193.37 879.23,-1193.25 ; 878.96,-1193.37 879.23,-1193.25 ; 879.21,-1127.68 879.31,-1127.68 ; 879.21,-1127.68 879.31,-1127.68 ; 879.23,-1193.25 879.33,-1193.21 ; 879.23,-1193.25 879.33,-1193.21 ; 879.31,-1127.68 879.41,-1127.67 ; 879.31,-1127.68 879.41,-1127.67 ; 879.33,-1193.21 879.6,-1193.09 ; 879.33,-1193.21 879.6,-1193.09 ; 879.41,-1127.67 879.51,-1127.67 ; 879.41,-1127.67 879.51,-1127.67 ; 879.51,-1127.67 879.61,-1127.66 ; 879.51,-1127.67 879.61,-1127.66 ; 879.6,-1193.09 879.69,-1193.06 ; 879.6,-1193.09 879.69,-1193.06 ; 879.61,-1127.66 879.71,-1127.66 ; 879.61,-1127.66 879.71,-1127.66 ; 879.69,-1193.06 879.79,-1193.02 ; 879.69,-1193.06 879.79,-1193.02 ; 879.71,-1127.66 879.81,-1127.65 ; 879.71,-1127.66 879.81,-1127.65 ; 879.79,-1193.02 880.15,-1192.86 ; 879.79,-1193.02 880.15,-1192.86 ; 879.81,-1127.65 879.91,-1127.65 ; 879.81,-1127.65 879.91,-1127.65 ; 879.91,-1127.65 880.01,-1127.64 ; 879.91,-1127.65 880.01,-1127.64 ; 880.01,-1127.64 880.21,-1127.64 ; 880.01,-1127.64 880.21,-1127.64 ; 880.15,-1192.86 880.25,-1192.82 ; 880.15,-1192.86 880.25,-1192.82 ; 880.21,-1127.64 880.31,-1127.63 ; 880.21,-1127.64 880.31,-1127.63 ; 880.25,-1192.82 880.61,-1192.66 ; 880.25,-1192.82 880.61,-1192.66 ; 880.31,-1127.63 880.81,-1127.63 ; 880.31,-1127.63 880.81,-1127.63 ; 880.61,-1192.66 880.71,-1192.63 ; 880.61,-1192.66 880.71,-1192.63 ; 880.71,-1192.63 881.07,-1192.47 ; 880.71,-1192.63 881.07,-1192.47 ; 880.81,-1127.63 880.91,-1127.62 ; 880.81,-1127.63 880.91,-1127.62 ; 880.91,-1127.62 881.41,-1127.62 ; 880.91,-1127.62 881.41,-1127.62 ; 881.07,-1192.47 881.17,-1192.43 ; 881.07,-1192.47 881.17,-1192.43 ; 881.17,-1192.43 881.26,-1192.39 ; 881.17,-1192.43 881.26,-1192.39 ; 881.26,-1192.39 881.35,-1192.34 ; 881.26,-1192.39 881.35,-1192.34 ; 881.35,-1192.34 881.89,-1192.1 ; 881.35,-1192.34 881.89,-1192.1 ; 881.41,-1127.62 881.51,-1127.63 ; 881.41,-1127.62 881.51,-1127.63 ; 881.51,-1127.63 882.01,-1127.63 ; 881.51,-1127.63 882.01,-1127.63 ; 881.89,-1192.1 881.98,-1192.05 ; 881.89,-1192.1 881.98,-1192.05 ; 881.98,-1192.05 882.08,-1192.01 ; 881.98,-1192.05 882.08,-1192.01 ; 882.01,-1127.63 882.11,-1127.64 ; 882.01,-1127.63 882.11,-1127.64 ; 882.08,-1192.01 882.26,-1191.93 ; 882.08,-1192.01 882.26,-1191.93 ; 882.11,-1127.64 882.41,-1127.64 ; 882.11,-1127.64 882.41,-1127.64 ; 882.18,-1216.34 882.28,-1216.33 ; 882.18,-1216.34 882.28,-1216.33 ; 882.26,-1191.93 882.35,-1191.88 ; 882.26,-1191.93 882.35,-1191.88 ; 882.28,-1216.33 882.48,-1216.29 ; 882.28,-1216.33 882.48,-1216.29 ; 882.35,-1191.88 882.44,-1191.84 ; 882.35,-1191.88 882.44,-1191.84 ; 882.41,-1127.64 882.51,-1127.65 ; 882.41,-1127.64 882.51,-1127.65 ; 882.44,-1191.84 882.53,-1191.79 ; 882.44,-1191.84 882.53,-1191.79 ; 882.48,-1216.29 882.58,-1216.28 ; 882.48,-1216.29 882.58,-1216.28 ; 882.51,-1127.65 882.7,-1127.65 ; 882.51,-1127.65 882.7,-1127.65 ; 882.53,-1191.79 882.62,-1191.75 ; 882.53,-1191.79 882.62,-1191.75 ; 882.58,-1216.28 882.68,-1216.26 ; 882.58,-1216.28 882.68,-1216.26 ; 882.62,-1191.75 882.7,-1191.71 ; 882.62,-1191.75 882.7,-1191.71 ; 882.68,-1216.26 882.78,-1216.25 ; 882.68,-1216.26 882.78,-1216.25 ; 882.7,-1191.71 882.79,-1191.66 ; 882.7,-1191.71 882.79,-1191.66 ; 882.7,-1127.65 882.8,-1127.66 ; 882.7,-1127.65 882.8,-1127.66 ; 882.78,-1216.25 882.87,-1216.23 ; 882.78,-1216.25 882.87,-1216.23 ; 882.79,-1191.66 882.88,-1191.62 ; 882.79,-1191.66 882.88,-1191.62 ; 882.8,-1127.66 882.9,-1127.66 ; 882.8,-1127.66 882.9,-1127.66 ; 882.87,-1216.23 882.97,-1216.21 ; 882.87,-1216.23 882.97,-1216.21 ; 882.88,-1191.62 883.06,-1191.52 ; 882.88,-1191.62 883.06,-1191.52 ; 882.9,-1127.66 883,-1127.67 ; 882.9,-1127.66 903.46,-1107.1 ; 882.9,-1127.66 883,-1127.67 ; 882.9,-1127.66 903.46,-1107.1 ; 882.97,-1216.21 883.07,-1216.2 ; 882.97,-1216.21 883.07,-1216.2 ; 883,-1127.67 883.2,-1127.67 ; 883,-1127.67 883.2,-1127.67 ; 883.07,-1216.2 883.27,-1216.16 ; 883.07,-1216.2 883.27,-1216.16 ; 883.06,-1191.52 883.15,-1191.48 ; 883.06,-1191.52 883.15,-1191.48 ; 883.15,-1191.48 883.33,-1191.38 ; 883.15,-1191.48 883.33,-1191.38 ; 883.2,-1127.67 883.3,-1127.68 ; 883.2,-1127.67 883.3,-1127.68 ; 883.27,-1216.16 883.37,-1216.15 ; 883.27,-1216.16 883.37,-1216.15 ; 883.3,-1127.68 883.4,-1127.68 ; 883.3,-1127.68 883.4,-1127.68 ; 883.37,-1216.15 883.47,-1216.13 ; 883.37,-1216.15 883.47,-1216.13 ; 883.33,-1191.38 883.41,-1191.34 ; 883.33,-1191.38 883.41,-1191.34 ; 883.41,-1191.34 883.68,-1191.19 ; 883.41,-1191.34 883.68,-1191.19 ; 883.4,-1127.68 883.5,-1127.69 ; 883.4,-1127.68 883.5,-1127.69 ; 883.47,-1216.13 883.57,-1216.12 ; 883.47,-1216.13 883.57,-1216.12 ; 883.5,-1127.69 883.6,-1127.69 ; 883.5,-1127.69 883.6,-1127.69 ; 883.57,-1216.12 883.66,-1216.1 ; 883.57,-1216.12 883.66,-1216.1 ; 883.6,-1127.69 883.7,-1127.7 ; 883.6,-1127.69 883.7,-1127.7 ; 883.66,-1216.1 883.76,-1216.08 ; 883.66,-1216.1 883.76,-1216.08 ; 883.68,-1191.19 883.76,-1191.14 ; 883.68,-1191.19 883.76,-1191.14 ; 883.7,-1127.7 883.8,-1127.7 ; 883.7,-1127.7 883.8,-1127.7 ; 883.76,-1216.08 883.86,-1216.07 ; 883.76,-1216.08 883.86,-1216.07 ; 883.76,-1191.14 883.94,-1191.04 ; 883.76,-1191.14 883.94,-1191.04 ; 883.8,-1127.7 884,-1127.72 ; 883.8,-1127.7 884,-1127.72 ; 883.86,-1216.07 884.06,-1216.03 ; 883.86,-1216.07 884.06,-1216.03 ; 883.94,-1191.04 884.02,-1190.99 ; 883.94,-1191.04 884.02,-1190.99 ; 884.02,-1190.99 884.2,-1190.89 ; 884.02,-1190.99 884.2,-1190.89 ; 884,-1127.72 884.1,-1127.72